# Altium PCB Multivibrator.PcbDoc
Units mm, origin at the board's own origin, x right, y up, seen from the top; angles counter-clockwise.
Board outline 30.35 x 26.08 mm, 2 copper layers (Top Layer, Bottom Layer); 16 components, 9 nets, 38 pads, 0 vias.
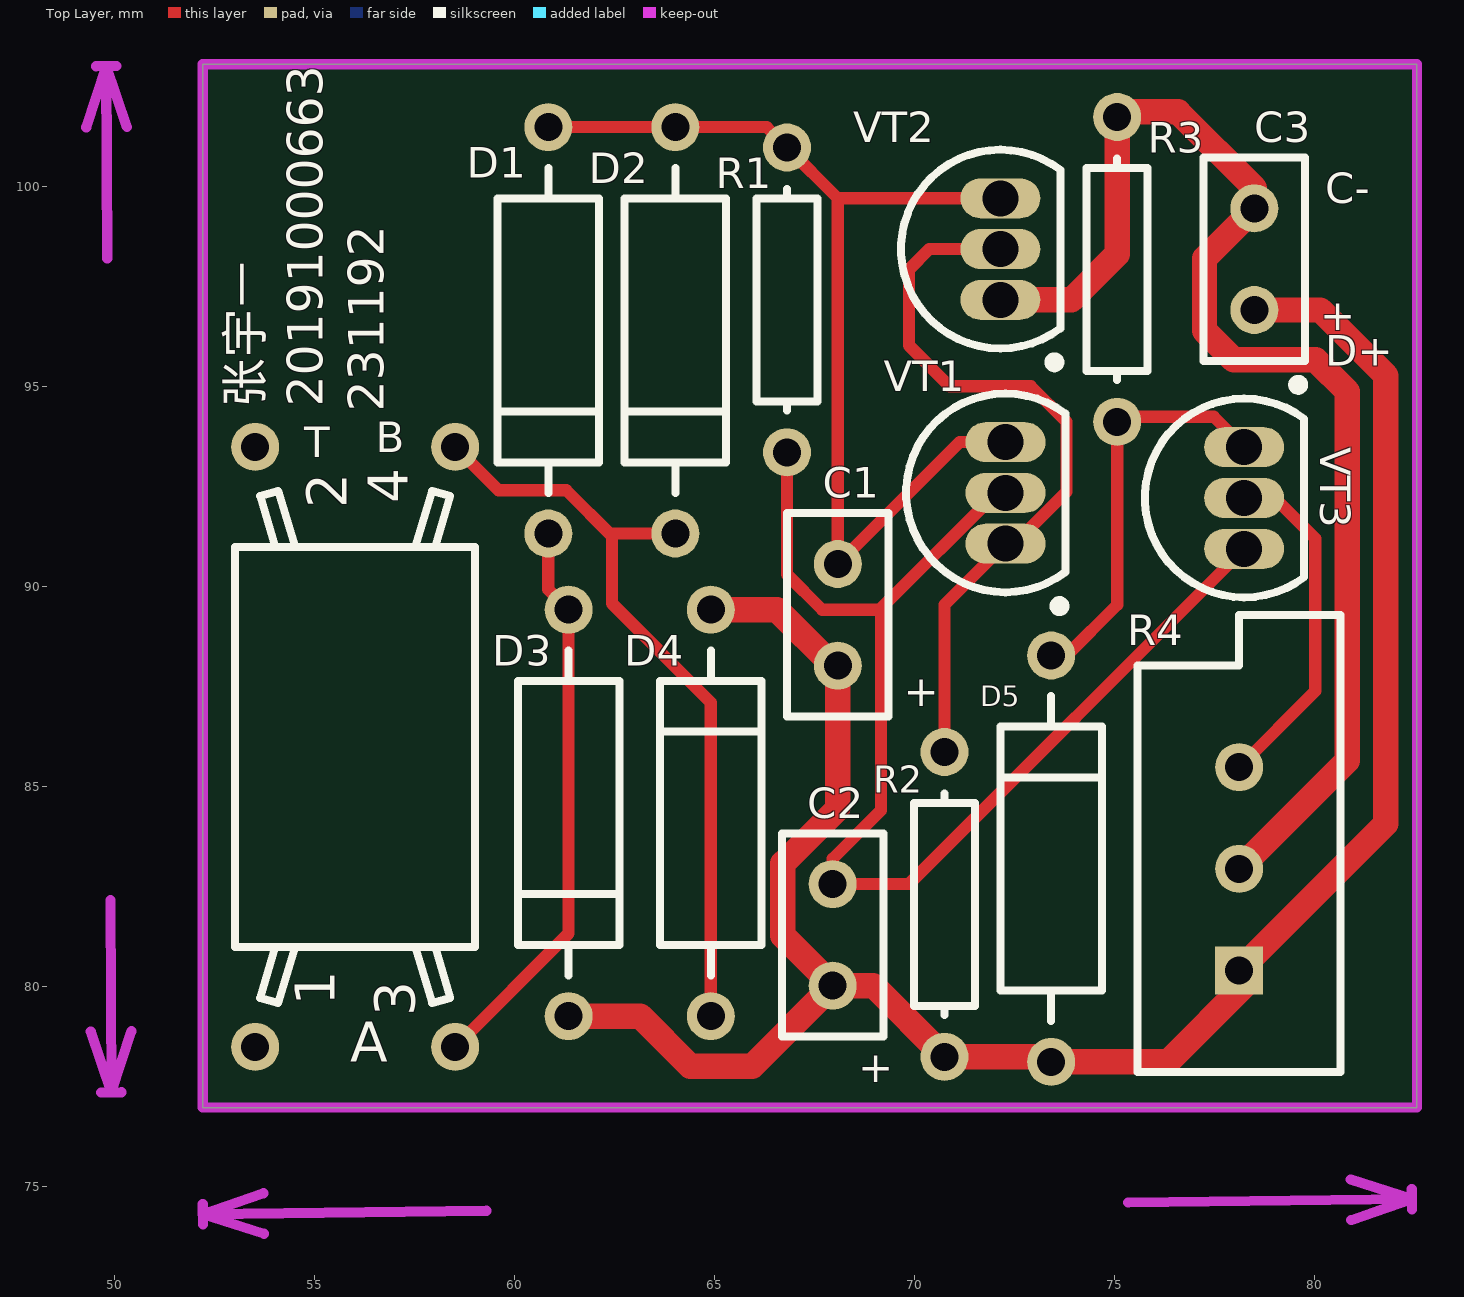
[diagram p0: Top Layer view]
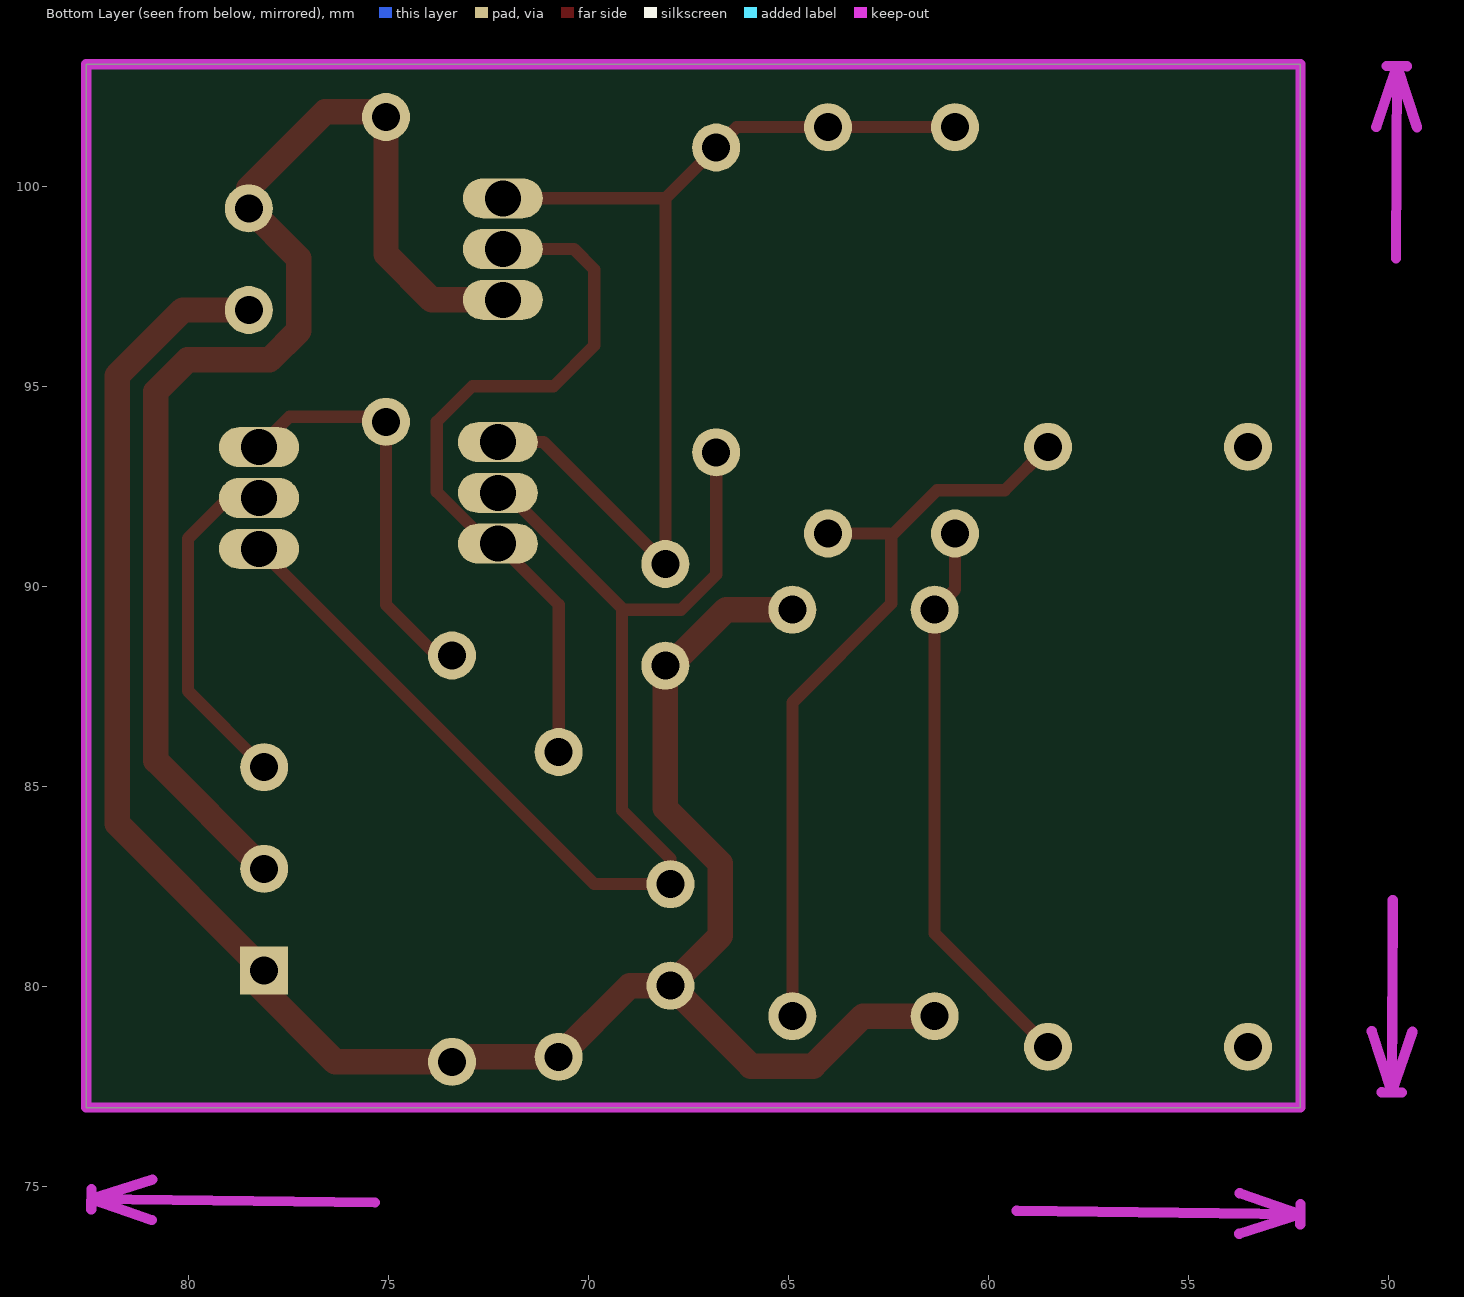
[diagram p1: Bottom Layer view, seen from below]

## Layer stack, top to bottom
Top Solder: solder mask 0.0102, Solder Resist, Dk 3.5
Top Layer: signal copper 0.0356
Dielectric 1: dielectric 0.32, FR-4, Dk 4.8
Bottom Layer: signal copper 0.0356
Bottom Solder: solder mask 0.0102, Solder Resist, Dk 3.5

## Board outline
52.197,76.962 52.197,103.045 82.55,103.045 82.55,76.962

## Design rules (kind name [scope] priority, off if disabled: settings)
Clearance Clearance_1 [(InComponent('VT1') OR InComponent('VT2') OR InComponent('VT3'))] p1: gap=0.051 ignorepadtopadclearanceinfootprint=FALSE
Clearance [All] p2: gap=0.33 ignorepadtopadclearanceinfootprint=FALSE
MinimumSolderMaskSliver [All] p1: minsoldermaskwidth=0
PolygonConnect [All] p1: connectstyle=Relief reliefconductorwidth=0.254 reliefentries=4 polygonreliefangle="90 Angle" airgapwidth=0.254
RoutingVias [All] p1: holewidth=0.813 width=1.575 viastyle="Through Hole" minholewidth=0.711 minwidth=1.27 maxholewidth=0.711 maxwidth=1.27
SilkToSilkClearance [All] p1: silktosilkclearance=0
SilkToSolderMaskClearance [IsPad] p1: minsilkscreentomaskgap=0 clearancetoexposedcopper=TRUE
SolderMaskExpansion [All] p1: expansion=0.102
Width 12VandGND [(InNet('C-') OR InNet('D+'))] p1: maxlimit=0.635 minlimit=0.635 preferedwidth=0.635
Width [All] p2: maxlimit=0.305 minlimit=0.305 preferedwidth=0.305
27 further rules are at their usual default settings.

## Classes and differential pairs
component class Multivibrator: C1 C3 D1 D2 D3 D4 D5 R1 R2 R3 T VT1 VT3

## Components (designator, comment, footprint, x,y, rotation, side; value= is the part's Value field where it differs from the comment)
C1 "Cap2" RAD-0.1 68.072,89.281 r90 top value=100uF
C2 "Cap2" RAD-0.1 67.945,81.28 r90 top value=100uF
C3 "Cap2" RAD-0.1 78.486,98.171 r90 top value=100uF
D1 "Diode 1N4004" DIODE-0.4 60.833,96.393 r270 top
D2 "Diode 1N4004" DIODE-0.4 64.008,96.393 r270 top
D3 "Diode 1N4004" DIODE-0.4 61.341,84.328 r270 top
D4 "Diode 1N4004" DIODE-0.4 64.897,84.328 r90 top
D5 "Diode 1N4004" DIODE-0.4 73.406,83.185 r90 top
R1 "Res2" AXIAL-0.3 66.802,97.155 r90 top value=1.5K
R2 "Res2" AXIAL-0.3 70.739,82.042 r90 top value=1.5K
R3 "Res2" AXIAL-0.3 75.057,97.917 r90 top value=1.5K
R4 "Res Tap" VR5 78.105,82.931 r90 top value=1K (schematic designator VR4)
T "Trans" TRANS 56.007,85.979 r90 top
VT1 "2N3906" TO-92A#1 72.263,92.329 r0 top
VT2 "2N3906" TO-92A#1 72.136,98.425 r0 top
VT3 "2N3906" TO-92A#2 78.232,92.202 r0 top

## Footprints (in the part's own frame and the unit in brackets; to place one, negate y for a bottom-side part, rotate by r counter-clockwise, add the part's x,y. Pads: shape width x height; smd on the part's side, far side on the other; paste and mask are expansions set on the pad)
AXIAL-0.3 [mm] "Axial Device, Thru-Hole; 2 Leads; 0.3 in Pin Spacing"
  round 1.2 hole 0.7: 1(-3.81,0) 2(3.81,0)
  silkscreen extent -2.77,-0.76 2.77,0.76
DIODE-0.4 [mm] "Diode, Thru-Hole; 2 Leads; 0.4 in Pin Spacing"
  round 1.2 hole 0.7: 1(-5.08,0) 2(5.08,0)
  silkscreen extent -4.06,-1.27 4.06,1.27
RAD-0.1 [mm] "Radial Cap, Thru-Hole; 2 Leads; 0.1 in Pin Spacing"
  round 1.2 hole 0.7: 1(-1.27,0) 2(1.27,0)
  silkscreen extent -2.54,-1.27 2.54,1.27
TO-92A#1 [mm] "TO, Flat Index; 3 In-Line, Axial Leads; Body Dia. 4.5mm; Leads 0.51 x 0.48 mm (max)"
  oval 2x1 hole 0.9: 1(0,-1.27) 2(0,0) 3(0,1.27)
  silkscreen extent -2.48,-2.95 1.5,2.48, body extent -2.48,-2.5 1.5,2.5, height 6.86
TO-92A#2 [mm] "TO, Flat Index; 3 In-Line, Axial Leads; Body Dia. 4.5mm; Leads 0.51 x 0.48 mm (max)"
  oval 2x1 hole 0.9: 1(0,1.27) 2(0,0) 3(0,-1.27)
  silkscreen extent -2.48,-2.48 1.5,2.95, body extent -2.48,-2.5 1.5,2.5, height 6.86
TRANS [mm] "Transformer; 4 Leads"
  round 1.2 hole 0.7: 1(-7.5,2.5) 2(7.5,2.5) 3(-7.5,-2.5) 4(7.5,-2.5)
  silkscreen extent -6.4,-3 6.4,3
VR5 [mm] "Thru-Hole; 3 Leads"
  rect 1.2x1.2 hole 0.7: 1(-2.54,0)
  round 1.2 hole 0.7: 2(0,0) 3(2.54,0)
  silkscreen extent -5.08,-2.54 6.35,2.54

## Part data
C1 C2 C3: "Capacitor", PackageDescription="Capacitor; 2 Leads", PackageReference=CAPR5-4X5, Published=23-Sep-2002, Publisher="Altium Limited"
D1 D2 D3 D4 D5: "1 Amp General Purpose Rectifier", Code_JEDEC=DO-204-AL, ComponentLink1Description="Manufacturer Link", ComponentLink1URL=http://www.fairchildsemi.com/, ComponentLink2Description=Datasheet, ComponentLink2URL=http://www.fairchildsemi.com/ds/1N%2F1N4001.pdf, DatasheetVersion=1998, LatestRevisionDate=17-Jul-2002, LatestRevisionNote="Re-released for DXP Platform.", PackageDescription="Diode, Axial; Body 5.2 x 2.7 mm (LxDia. max), Lead Dia. 0.86 mm (max)", PackageReference=DO-41, PackageVersion=Aug-1999, Published=8-Jun-2000, Publisher="Altium Limited"
R1 R2 R3: "Resistor", LatestRevisionDate=17-Jul-2002, LatestRevisionNote="Re-released for DXP Platform.", PackageDescription="Axial Device, Thru-Hole; 2 Leads; 0.4 in Pin Spacing", PackageReference=AXIAL-0.4, Published=8-Jun-2000, Publisher="Altium Limited"
R4: "Tapped Resistor", LatestRevisionDate=17-Jul-2002, LatestRevisionNote="Re-released for DXP Platform.", PackageDescription="Variable Resistor, Thru-Hole; 3 Leads", PackageReference=VR3, Published=24-Mar-1999, Publisher="Altium Limited", Set Position=0.5, Sim Note="Enter the Resistance value and the set point into parameter fields."
T: "Transformer", LatestRevisionDate=08-Jul-2005, LatestRevisionNote="Mech Layer 1 removed.", PackageDescription="Transformer; 4 Leads", PackageReference=TRANS, Published=24-Mar-1999, Publisher="Altium Limited"
VT1 VT2 VT3: "PNP General Purpose Amplifier", ComponentLink1Description="Manufacturer Link", ComponentLink1URL=http://www.fairchildsemi.com/, ComponentLink2Description=Datasheet, ComponentLink2URL=http://www.fairchildsemi.com/ds/2N%2F2N3906.pdf, DatasheetVersion=1997, LatestRevisionDate=15-Jan-2003, LatestRevisionNote="PCB Footprint 'BCY-W3/D4.7' replaced", PackageDescription="TO, Flat Index; 3 In-Line, Axial Leads; Body Dia. 4.5mm; Leads 0.51 x 0.48 mm (max)", PackageReference=TO-92A, PackageVersion=Sep-1998, Published=8-Jun-2000, Publisher="Altium Limited"

## Nets (pads, with @x,y where several pads share a name; then routed paths per layer and width w, separated by ;. In a path a pad name is that pad's centre, name@x,y a point inside that pad or via, vN(x,y) a via of type N, cw(c..) or ccw(c..) an arc to the next point about the centre after c; other vN are vias at no path point)
A: D1.2 D3.1 T.3 | length 14.2
  Top Layer w0.305: T.3 61.341,81.313 D3.1 60.833,89.916 D1.2
B: D2.2 D4.1 T.4 | length 19.5
  Top Layer w0.305: T.4 59.59,92.396 61.281,92.396 62.424,91.253 ; D2.2 62.483,91.313 62.424,91.253 ; D4.1 64.897,87.089 62.424,89.562 62.424,91.253
C-: C3.2 R3.2 R4.2 VT2.1 | length 32.5
  Top Layer w0.635: VT2.1 73.914,97.155 75.057,98.298 R3.2 75.057,101.854 76.581,101.854 78.486,99.949 C3.2 77.238,98.193 77.238,96.384 77.969,95.653 80.02,95.653 80.81,94.863 80.81,85.636 R4.2
D+: C1.1 C2.1 C3.1 D3.2 D4.2 D5.1 R2.1 R4.1 | length 53.2
  Top Layer w0.635: D3.2 63.132,79.248 64.38,78 65.935,78 C2.1 ; D4.2 66.552,89.408 67.949,88.011 C1.1 68.072,84.442 66.697,83.067 66.697,81.258 C2.1 ; R4.1 81.775,84.061 81.775,95.263 80.137,96.901 C3.1 ; R4.1@78.359,80.137 76.327,78.105 D5.1 73.279,78.232 R2.1 68.961,80.01 C2.1
NetC1_2: C1.2 D1.1 D2.1 R1.2 VT1.3 VT2.3 | length 26.6
  Top Layer w0.305: D1.1 D2.1 66.294,101.473 R1.2 68.072,99.695 ; VT2.3 68.072,99.695 ; VT1.3 71.12,93.599 C1.2 68.072,99.695
NetC2_2: C2.2 R1.1 VT1.2 VT3.3 | length 31.2
  Top Layer w0.305: R1.1 66.802,90.29 67.684,89.408 69.155,89.408 ; VT1.2 72.039,92.329 69.155,89.445 69.155,89.408 ; VT3.3 69.85,82.55 C2.2 67.945,83.183 69.155,84.393 69.155,89.408
NetD5_2: D5.2 R3.1 VT3.1 | length 10.5
  Top Layer w0.305: D5.2@73.466,88.325 D5.2 73.787,88.265 75.057,89.535 R3.1 75.057,94.234 77.47,94.234 VT3.1
NetR2_2: R2.2 VT1.1 VT2.2 | length 18.8
  Top Layer w0.305: R2.2 70.739,89.535 VT1.1 72.487,91.059 73.787,92.359 73.787,94.107 72.898,94.996 70.866,94.996 69.85,96.012 69.85,97.917 70.358,98.425 VT2.2
NetVR4_3: R4.3 VT3.2 | length 8.7
  Top Layer w0.305: R4.3 80.01,87.376 80.01,91.186 78.994,92.202 VT3.2
pads on no net: T.1 T.2

## Keep-outs
Keep-Out Layer:
  lines w0.254: 49.284,101.471 49.784,102.997 ; 49.395,78.864 49.911,77.343 ; 49.53,102.996 50.038,102.998 ; 49.657,77.342 50.165,77.344 ; 49.808,98.194 49.784,102.997 ; 49.887,82.146 49.911,77.343 ; 50.3,101.476 49.784,102.997 ; 50.411,78.869 49.911,77.343 ; 52.194,74.549 52.2,74.041 ; 53.714,74.822 52.197,74.295 ; 53.727,73.806 52.197,74.295 ; 59.287,74.384 52.197,74.295 ; 75.333,74.587 82.423,74.676 ; 80.893,75.165 82.423,74.676 ; 80.906,74.149 82.423,74.676 ; 82.42,74.93 82.426,74.422 ; 52.197,76.962 52.197,103.045 82.55,103.045 82.55,76.962 52.197,76.962
  text "25.654 (mm)" at 48.895,97.935 h1.52 r270.28
  text "30.228 (mm)" at 59.552,73.473 h1.52 r0.72

## Silkscreen, mask and mechanical layers (free items; w line width, h text height)
Top Overlay:
  text "C-" at 80.264,99.568 h0.76
  text "+" at 80.137,96.393 h0.76
  text "D+" at 80.264,95.504 h0.76
  text "张宇一" at 53.975,94.488 h1.52 r90
  text "20191000663" at 55.499,94.488 h1.52 r90
  text "231192" at 57.023,94.361 h1.52 r90
  text "B" at 56.515,93.345 h0.76
  text "+" at 69.723,86.995 h0.76
  text "A" at 55.88,78.105 h1
  text "+" at 68.58,77.597 h0.76
Bottom Overlay:
  text "张宇一" at 59.817,118.11 h1.52
  text "张宇一" at 57.912,116.332 h1.52
  text "String" at 59.563,113.411 h1.52

## Text inside footprints (layer, text, board x,y; h text height)
T: Top Overlay "4" at 57.317,92.068 h1 r90; Top Overlay "3" at 57.491,79.241 h1 r90; Top Overlay "2" at 55.793,91.941 h1 r90; Top Overlay "1" at 55.499,79.502 h1 r90